# Altium PCB RockerBox_1_SiC780A_Rev02.PcbDoc (part 1 of 4) (continued)
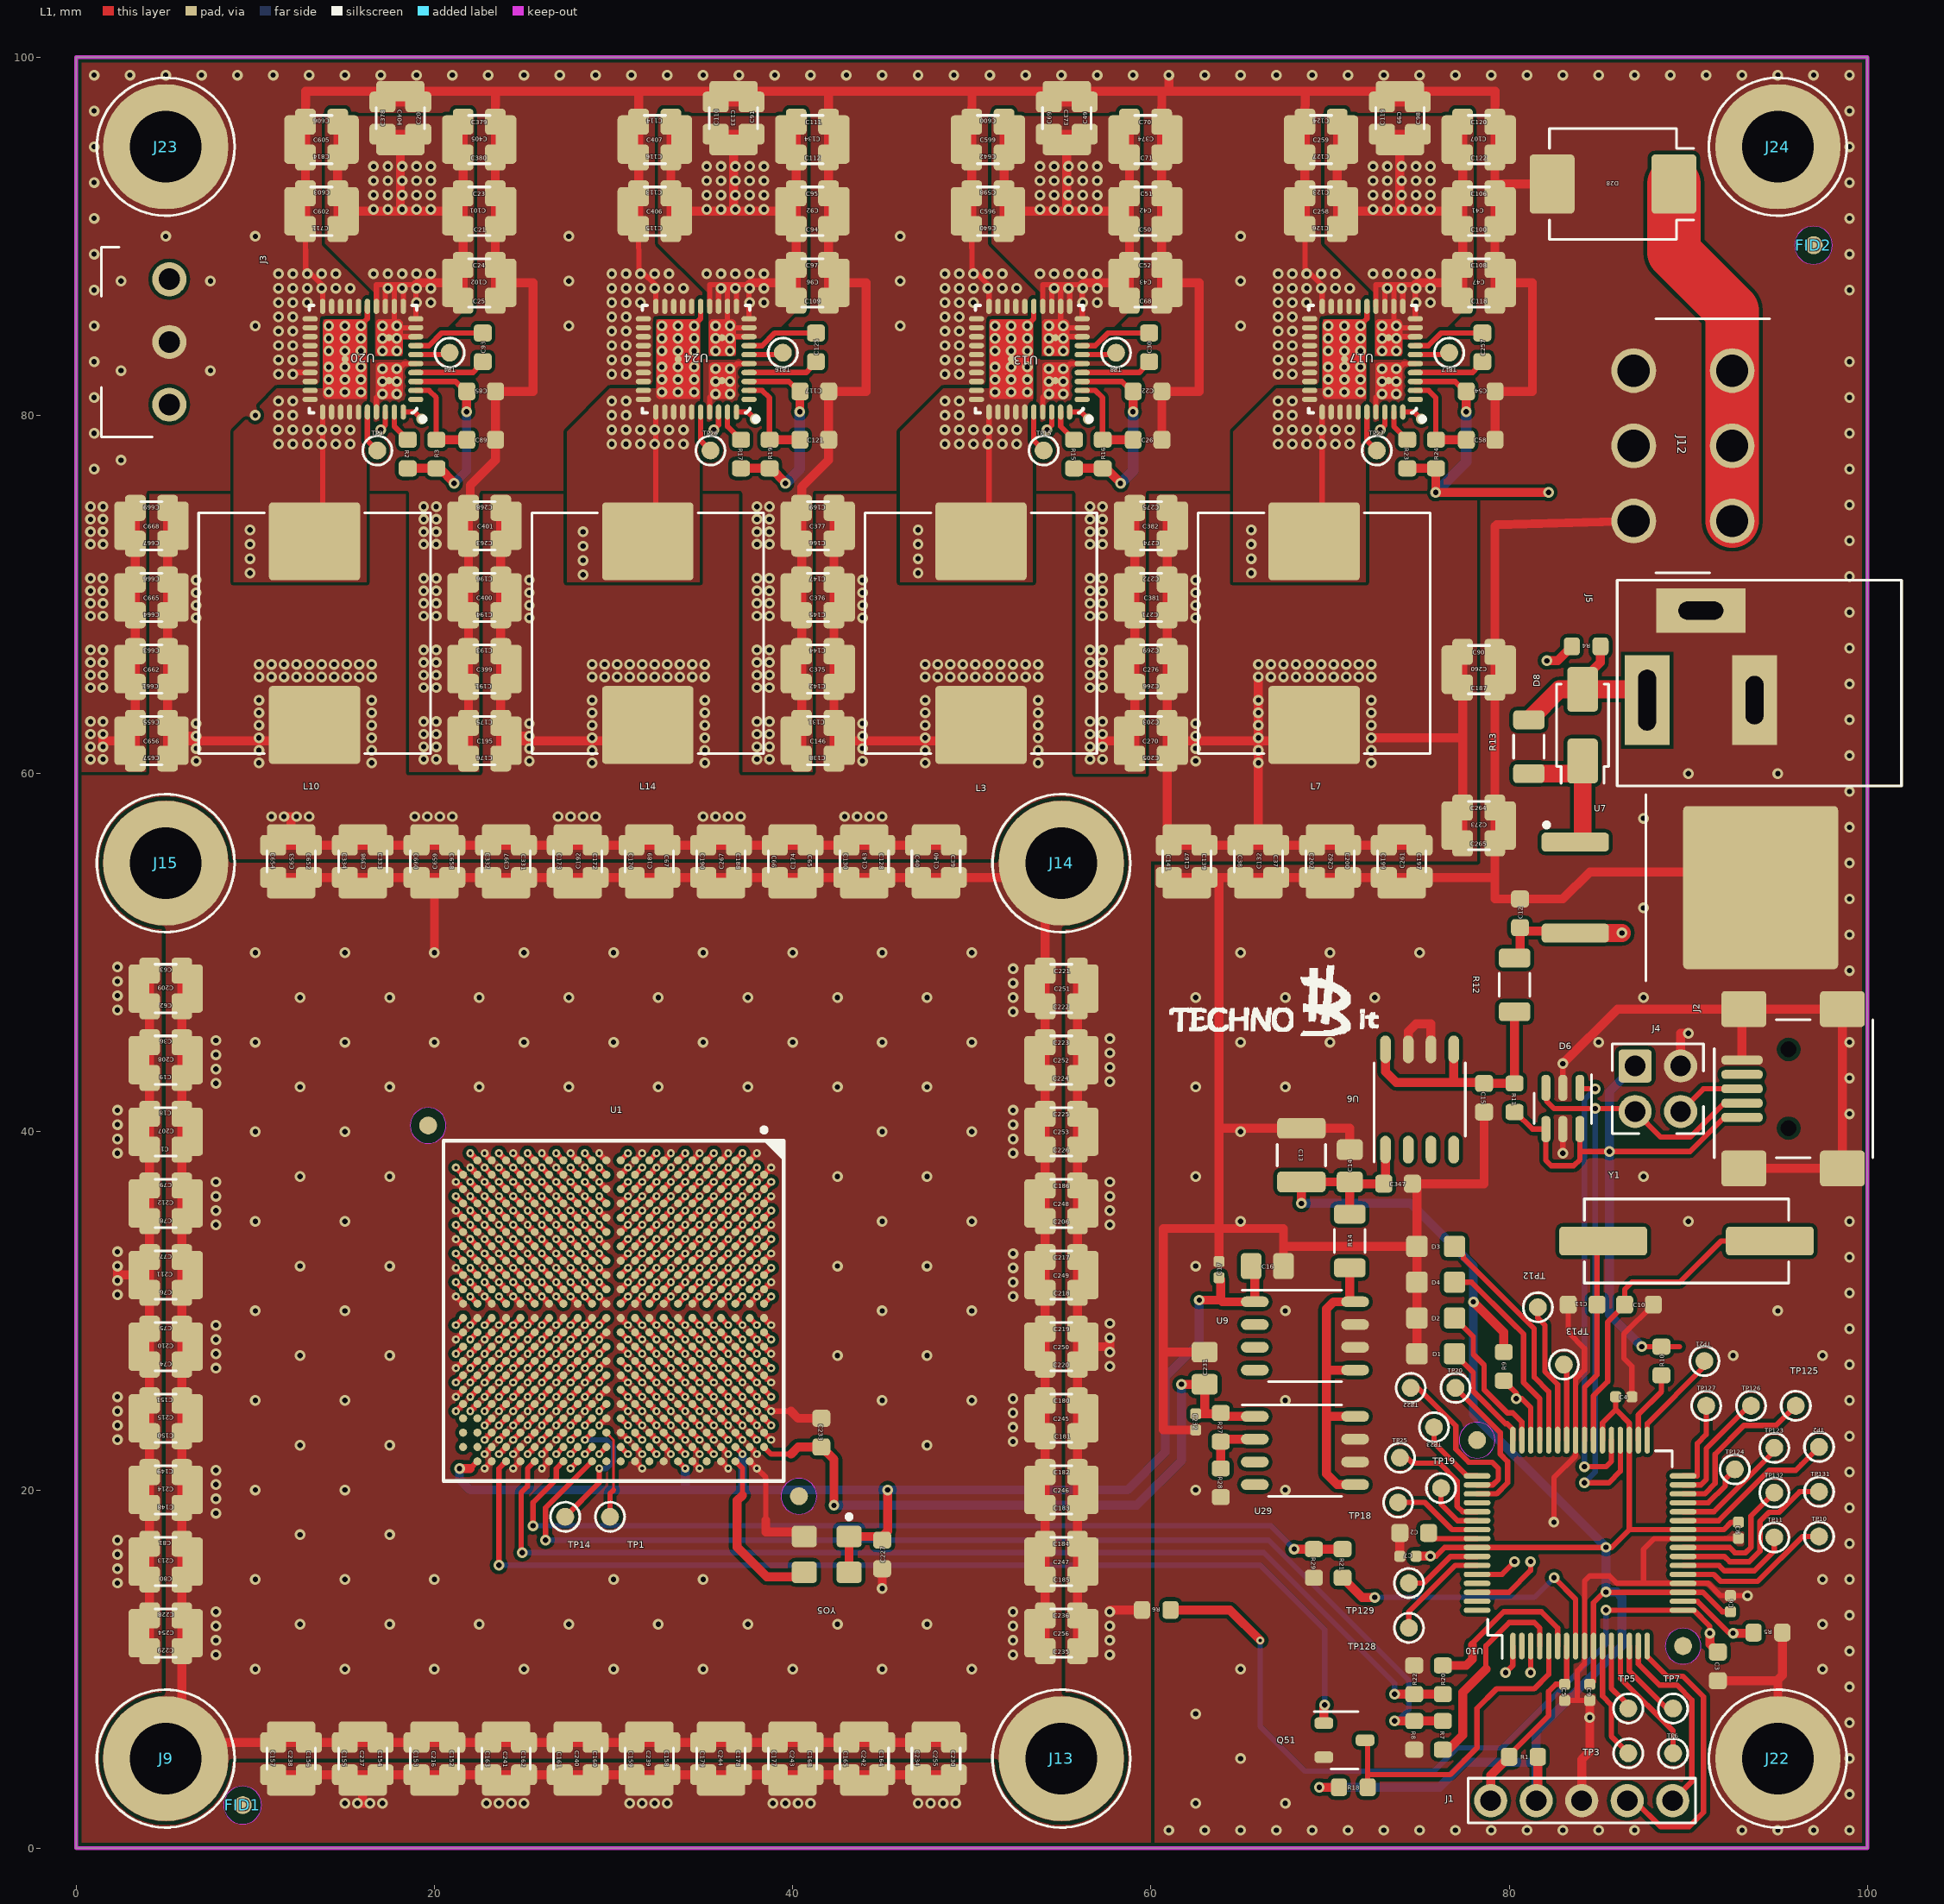
[diagram p0: L1 view]
## Design rules (kind name [scope] priority, off if disabled: settings) (continued)
PolygonConnect "Polygon Connect Style - Via from round thru-hole global defaults_65" [IsVia] p22: connectstyle=Relief reliefconductorwidth=0.5 reliefentries=4 polygonreliefangle="90 Angle" airgapwidth=0.254
PolygonConnect "Polygon Connect Style - L4 Round thru-hole pad from global defaults" [IsPad And OnMultiLayer And (PadShape_BottomLayer = 'Round') And (PadXSize_BottomLayer = PADYSize_BottomLayer) vs Layer = 'L4'] p23: connectstyle=Relief reliefconductorwidth=0.5 reliefentries=4 polygonreliefangle="90 Angle" airgapwidth=0.254
PolygonConnect "Polygon Connect Style - Via from round thru-hole global defaults_64" [IsVia] p24: connectstyle=Relief reliefconductorwidth=0.5 reliefentries=4 polygonreliefangle="90 Angle" airgapwidth=0.254
PolygonConnect "Polygon Connect Style - L3 Round thru-hole pad from global defaults" [IsPad And OnMultiLayer And (PadShape_MidLayer2 = 'Round') And (PadXSize_MidLayer2 = PADYSize_MidLayer2) vs Layer = 'L3'] p25: connectstyle=Relief reliefconductorwidth=0.5 reliefentries=4 polygonreliefangle="90 Angle" airgapwidth=0.254
PolygonConnect "Polygon Connect Style - Via from round thru-hole global defaults_63" [IsVia] p26: connectstyle=Relief reliefconductorwidth=0.5 reliefentries=4 polygonreliefangle="90 Angle" airgapwidth=0.254
PolygonConnect "Polygon Connect Style - L2 Round thru-hole pad from global defaults" [IsPad And OnMultiLayer And (PadShape_MidLayer1 = 'Round') And (PadXSize_MidLayer1 = PADYSize_MidLayer1) vs Layer = 'L2'] p27: connectstyle=Relief reliefconductorwidth=0.5 reliefentries=4 polygonreliefangle="90 Angle" airgapwidth=0.254
PolygonConnect "Polygon Connect Style - Via from round thru-hole global defaults" [IsVia] p28: connectstyle=Relief reliefconductorwidth=0.5 reliefentries=4 polygonreliefangle="90 Angle" airgapwidth=0.254
PolygonConnect "Polygon Connect Style - L1 Round thru-hole pad from global defaults" [IsPad And OnMultiLayer And (PadShape_TopLayer = 'Round') And (PadXSize_TopLayer = PADYSize_TopLayer) vs Layer = 'L1'] p29: connectstyle=Relief reliefconductorwidth=0.5 reliefentries=4 polygonreliefangle="90 Angle" airgapwidth=0.254
PolygonConnect "Polygon Connect Style - L4 Square thru-hole pad from global defaults" [IsPad And OnMultiLayer And ((PadShape_BottomLayer = 'Rectangular') Or (PadShape_BottomLayer = 'Octagonal') Or (PadShape_BottomLayer = 'Rounded Rectangle')) And (PadXSize_BottomLayer = PADYSize_BottomLayer) vs Layer = 'L4'] p30: connectstyle=Relief reliefconductorwidth=0.5 reliefentries=4 polygonreliefangle="90 Angle" airgapwidth=0.254
PolygonConnect "Polygon Connect Style - L3 Square thru-hole pad from global defaults" [IsPad And OnMultiLayer And ((PadShape_MidLayer2 = 'Rectangular') Or (PadShape_MidLayer2 = 'Octagonal') Or (PadShape_MidLayer2 = 'Rounded Rectangle')) And (PadXSize_MidLayer2 = PADYSize_MidLayer2) vs Layer = 'L3'] p31: connectstyle=Relief reliefconductorwidth=0.5 reliefentries=4 polygonreliefangle="90 Angle" airgapwidth=0.254
PolygonConnect "Polygon Connect Style - L2 Square thru-hole pad from global defaults" [IsPad And OnMultiLayer And ((PadShape_MidLayer1 = 'Rectangular') Or (PadShape_MidLayer1 = 'Octagonal') Or (PadShape_MidLayer1 = 'Rounded Rectangle')) And (PadXSize_MidLayer1 = PADYSize_MidLayer1) vs Layer = 'L2'] p32: connectstyle=Relief reliefconductorwidth=0.5 reliefentries=4 polygonreliefangle="90 Angle" airgapwidth=0.254
PolygonConnect "Polygon Connect Style - L1 Square thru-hole pad from global defaults" [IsPad And OnMultiLayer And ((PadShape_TopLayer = 'Rectangular') Or (PadShape_TopLayer = 'Octagonal') Or (PadShape_TopLayer = 'Rounded Rectangle')) And (PadXSize_TopLayer = PADYSize_TopLayer) vs Layer = 'L1'] p33: connectstyle=Relief reliefconductorwidth=0.5 reliefentries=4 polygonreliefangle="90 Angle" airgapwidth=0.254
PolygonConnect "Polygon Connect Style - L4 Rect thru-hole pad from global defaults" [IsPad And OnMultiLayer And ((PadShape_BottomLayer = 'Rectangular') Or (PadShape_BottomLayer = 'Octagonal') Or (PadShape_BottomLayer = 'Rounded Rectangle')) And (PadXSize_BottomLayer <> PADYSize_BottomLayer) vs Layer = 'L4'] p34: connectstyle=Relief reliefconductorwidth=0.5 reliefentries=4 polygonreliefangle="90 Angle" airgapwidth=0.254
PolygonConnect "Polygon Connect Style - L4 Square-rect thru-hole pad from global defaults" [IsPad And OnMultiLayer And (PadShape_BottomLayer = 'Rounded Rectangle') And (PadXSize_BottomLayer = PADYSize_BottomLayer) And (Pad_CornerRadius_BottomLayer = '0%') vs Layer = 'L4'] p35: connectstyle=Relief reliefconductorwidth=0.5 reliefentries=4 polygonreliefangle="90 Angle" airgapwidth=0.254
PolygonConnect "Polygon Connect Style - L3 Rect thru-hole pad from global defaults" [IsPad And OnMultiLayer And ((PadShape_MidLayer2 = 'Rectangular') Or (PadShape_MidLayer2 = 'Octagonal') Or (PadShape_MidLayer2 = 'Rounded Rectangle')) And (PadXSize_MidLayer2 <> PADYSize_MidLayer2) vs Layer = 'L3'] p36: connectstyle=Relief reliefconductorwidth=0.5 reliefentries=4 polygonreliefangle="90 Angle" airgapwidth=0.254
PolygonConnect "Polygon Connect Style - L3 Square-rect thru-hole pad from global defaults" [IsPad And OnMultiLayer And (PadShape_MidLayer2 = 'Rounded Rectangle') And (PadXSize_MidLayer2 = PADYSize_MidLayer2) And (Pad_CornerRadius_MidLayer2 = '0%') vs Layer = 'L3'] p37: connectstyle=Relief reliefconductorwidth=0.5 reliefentries=4 polygonreliefangle="90 Angle" airgapwidth=0.254
PolygonConnect "Polygon Connect Style - L2 Rect thru-hole pad from global defaults" [IsPad And OnMultiLayer And ((PadShape_MidLayer1 = 'Rectangular') Or (PadShape_MidLayer1 = 'Octagonal') Or (PadShape_MidLayer1 = 'Rounded Rectangle')) And (PadXSize_MidLayer1 <> PADYSize_MidLayer1) vs Layer = 'L2'] p38: connectstyle=Relief reliefconductorwidth=0.5 reliefentries=4 polygonreliefangle="90 Angle" airgapwidth=0.254
PolygonConnect "Polygon Connect Style - L2 Square-rect thru-hole pad from global defaults" [IsPad And OnMultiLayer And (PadShape_MidLayer1 = 'Rounded Rectangle') And (PadXSize_MidLayer1 = PADYSize_MidLayer1) And (Pad_CornerRadius_MidLayer1 = '0%') vs Layer = 'L2'] p39: connectstyle=Relief reliefconductorwidth=0.5 reliefentries=4 polygonreliefangle="90 Angle" airgapwidth=0.254
PolygonConnect "Polygon Connect Style - L1 Rect thru-hole pad from global defaults" [IsPad And OnMultiLayer And ((PadShape_TopLayer = 'Rectangular') Or (PadShape_TopLayer = 'Octagonal') Or (PadShape_TopLayer = 'Rounded Rectangle')) And (PadXSize_TopLayer <> PADYSize_TopLayer) vs Layer = 'L1'] p40: connectstyle=Relief reliefconductorwidth=0.5 reliefentries=4 polygonreliefangle="90 Angle" airgapwidth=0.254
PolygonConnect "Polygon Connect Style - L1 Square-rect thru-hole pad from global defaults" [IsPad And OnMultiLayer And (PadShape_TopLayer = 'Rounded Rectangle') And (PadXSize_TopLayer = PADYSize_TopLayer) And (Pad_CornerRadius_TopLayer = '0%') vs Layer = 'L1'] p41: connectstyle=Relief reliefconductorwidth=0.5 reliefentries=4 polygonreliefangle="90 Angle" airgapwidth=0.254
PolygonConnect "Polygon Connect Style - L4 Oval thru-hole pad from global defaults" [IsPad And OnMultiLayer And (PadShape_BottomLayer = 'Round') And (PadXSize_BottomLayer <> PADYSize_BottomLayer) vs Layer = 'L4'] p42: connectstyle=Relief reliefconductorwidth=0.5 reliefentries=4 polygonreliefangle="90 Angle" airgapwidth=0.254
PolygonConnect "Polygon Connect Style - L4 Round-oval thru-hole pad from global defaults" [IsPad And OnMultiLayer And (PadShape_BottomLayer = 'Rounded Rectangle') And (PadXSize_BottomLayer = PADYSize_BottomLayer) And (Pad_CornerRadius_BottomLayer = '100%') vs Layer = 'L4'] p43: connectstyle=Relief reliefconductorwidth=0.5 reliefentries=4 polygonreliefangle="90 Angle" airgapwidth=0.254
PolygonConnect "Polygon Connect Style - L3 Oval thru-hole pad from global defaults" [IsPad And OnMultiLayer And (PadShape_MidLayer2 = 'Round') And (PadXSize_MidLayer2 <> PADYSize_MidLayer2) vs Layer = 'L3'] p44: connectstyle=Relief reliefconductorwidth=0.5 reliefentries=4 polygonreliefangle="90 Angle" airgapwidth=0.254
PolygonConnect "Polygon Connect Style - L3 Round-oval thru-hole pad from global defaults" [IsPad And OnMultiLayer And (PadShape_MidLayer2 = 'Rounded Rectangle') And (PadXSize_MidLayer2 = PADYSize_MidLayer2) And (Pad_CornerRadius_MidLayer2 = '100%') vs Layer = 'L3'] p45: connectstyle=Relief reliefconductorwidth=0.5 reliefentries=4 polygonreliefangle="90 Angle" airgapwidth=0.254
PolygonConnect "Polygon Connect Style - L2 Oval thru-hole pad from global defaults" [IsPad And OnMultiLayer And (PadShape_MidLayer1 = 'Round') And (PadXSize_MidLayer1 <> PADYSize_MidLayer1) vs Layer = 'L2'] p46: connectstyle=Relief reliefconductorwidth=0.5 reliefentries=4 polygonreliefangle="90 Angle" airgapwidth=0.254
PolygonConnect "Polygon Connect Style - L2 Round-oval thru-hole pad from global defaults" [IsPad And OnMultiLayer And (PadShape_MidLayer1 = 'Rounded Rectangle') And (PadXSize_MidLayer1 = PADYSize_MidLayer1) And (Pad_CornerRadius_MidLayer1 = '100%') vs Layer = 'L2'] p47: connectstyle=Relief reliefconductorwidth=0.5 reliefentries=4 polygonreliefangle="90 Angle" airgapwidth=0.254
PolygonConnect "Polygon Connect Style - L1 Oval thru-hole pad from global defaults" [IsPad And OnMultiLayer And (PadShape_TopLayer = 'Round') And (PadXSize_TopLayer <> PADYSize_TopLayer) vs Layer = 'L1'] p48: connectstyle=Relief reliefconductorwidth=0.5 reliefentries=4 polygonreliefangle="90 Angle" airgapwidth=0.254
PolygonConnect "Polygon Connect Style - L1 Round-oval thru-hole pad from global defaults" [IsPad And OnMultiLayer And (PadShape_TopLayer = 'Rounded Rectangle') And (PadXSize_TopLayer = PADYSize_TopLayer) And (Pad_CornerRadius_TopLayer = '100%') vs Layer = 'L1'] p49: connectstyle=Relief reliefconductorwidth=0.5 reliefentries=4 polygonreliefangle="90 Angle" airgapwidth=0.254
PolygonConnect [All] p50: connectstyle=Relief reliefconductorwidth=0.254 reliefentries=4 polygonreliefangle="90 Angle" airgapwidth=0.254
RoomDefinition U_CPU_Power [InComponentClass('U_CPU_Power')] p1: confinementstyle=ConfineIn formatcopy=TRUE lockcomponents=FALSE outline -691.9,-758.05 -641.1,-758.05 -641.1,-732.65 -691.9,-732.65
RoomDefinition U_CPU_Logic [InComponentClass('U_CPU_Logic')] p2: confinementstyle=ConfineIn formatcopy=TRUE lockcomponents=FALSE outline -691.9,-758.05 -641.1,-758.05 -641.1,-732.65 -691.9,-732.65
RoomDefinition SMPS [InComponentClass('SMPS')] p3: confinementstyle=ConfineIn formatcopy=TRUE lockcomponents=FALSE outline -691.9,-758.05 -641.1,-758.05 -641.1,-732.65 -691.9,-732.65
RoomDefinition MCU [InComponentClass('MCU')] p4: confinementstyle=ConfineIn formatcopy=TRUE lockcomponents=FALSE outline -691.9,-758.05 -641.1,-758.05 -641.1,-732.65 -691.9,-732.65
RoutingLayers "'Default' PADS rule_3" [All] p1: top layer_v5=TRUE mid layer 1_v5=TRUE mid layer 2_v5=TRUE bottom layer_v5=TRUE
RoutingPriority "'Default' PADS rule_2" [All] p1: routingpriority=3
RoutingTopology "'Default' PADS rule" [All] p1: topology=Shortest
RoutingVias "'Default' PADS rule_4" [All] p1: holewidth=0.3 width=0.6 viastyle="Through Hole" minholewidth=0.3 minwidth=0.6 maxholewidth=0.3 maxwidth=0.6
SMDToCorner "'All on Layer' PADS rule_50" [OnLayer('L2') vs OnLayer('L2')] p1: distance=39370
SMDToCorner "'All on Layer' PADS rule_35" [OnLayer('L3') vs OnLayer('L3')] p2: distance=39370
SMDToCorner "'Default' PADS rule_17" [All] p3: distance=39370
SMDToPlane "'All on Layer' PADS rule_51" [OnLayer('L2') vs OnLayer('L2')] p1: distance=39370
SMDToPlane "'All on Layer' PADS rule_36" [OnLayer('L3') vs OnLayer('L3')] p2: distance=39370
SMDToPlane "'Default' PADS rule_18" [All] p3: distance=39370
SolderMaskExpansion [All] p1: expansion=0.102
StubLength "'Default' PADS rule_6" [All] p1: limit=25.4
UnpouredPolygon [All] p1: allowunpoured=FALSE
Width "'All on Layer' PADS rule_48" [OnLayer('L2') vs OnLayer('L2')] p1: maxlimit=3 minlimit=0.25 preferedwidth=0.3
Width "'All on Layer' PADS rule" [OnLayer('L3') vs OnLayer('L3')] p2: maxlimit=3 minlimit=0.25 preferedwidth=0.3
Width "'Default' PADS rule_14" [All] p3: maxlimit=3 minlimit=0.13 preferedwidth=0.5
23 further rules are at their usual default settings.

## Classes and differential pairs
component class U_CPU_Power: C1 C18 C19 C36 C62 C63 C74 C75 C76 C77 C78 C79 C80 C81 C148 C149 C150 C151 C152 C153 C154 C155 C156 C157 C158 C159 C160 C161 C162 C163 C164 C165 C168 C177 C178 C179 C180 C181 C182 C183 C184 C185 C186 C206 C207 C208 C209 C210 C211 C212 C213 C214 C215 C216 C217 C218 C219 C220 C221 C222 C223 C224 C225 C226 C228 C229 C230 C234 C235 C236 C237 C238 C239 C240 C241 C242 C243 C244 C245 C246 C247 C248 C249 C250 C251 C252 C253 C254 C255 C256 U1
component class U_CPU_Logic: C227 C233 TP1 TP14 YO5
component class SMPS: C20 C21 C22 C23 C24 C25 C26 C30 C37 C38 C39 C40 C41 C42 C43 C47 C49 C50 C51 C52 C54 C58 C65 C66 C67 C68 C69 C70 C71 C85 C89 C90 C91 C92 C93 C94 C95 C96 C97 C98 C99 C100 C101 C102 C106 C107 C108 C109 C110 C111 C112 C113 C114 C115 C116 C117 C118 C119 C120 C121 C122 C123 C124 C125 C126 C127 C128 C130 C131 C132 C133 C134 C138 C139 C140 C141 C142 C143 C144 C145 C146 C147 C166 C167 C169 C170 C172 C173 C174 C175 C176 C187 C188 C189 C190 C191 C192 C193 C194 C195 C196 C197 C199 C200 C202 C203 C205 C257 C258 C259 C260 C261 C262 C263 C264 C265 C266 C267 C268 C269 C270 C271 C272 C273 C274 C275 C276 C331 C332 C333 C334 C373 C374 C375 C376 C377 C378 C379 C380 C381 C382 C397 C398 C399 C400 C401 C404 C405 C406 C407 C596 C598 C599 C600 C602 C603 C605 C606 C640 C642 C652 C653 C654 C655 C656 C657 C658 C659 C660 C661 C662 C663 C664 C665 C666 C667 C668 C669 C711 C814 L3 L7 L10 L14 R2 R3 R15 R16 R17 R19 R23 R24 TP4 TP8 TP9 TP15 TP16 TP17 TP26 TP27 U13 U17 U20 U24
component class MCU: C2 C3 C4 C5 C6 C7 C8 C9 C10 C11 C12 C13 C14 C15 C16 C17 C231 C232 C347 D1 D2 D3 D4 D6 D8 D28 FID1 FID2 J1 J2 J3 J4 J5 J9 J12 J13 J14 J15 J22 J23 J24 Q51 R1 R4 R5 R6 R7 R8 R9 R10 R11 R12 R13 R14 R18 R20 R21 R22 R27 R28 R29 TP2 TP3 TP5 TP6 TP7 TP10 TP11 TP12 TP13 TP18 TP19 TP20 TP21 TP22 TP23 TP25 TP123 TP124 TP125 TP126 TP127 TP128 TP129 TP131 TP132 U6 U7 U9 U10 U29 Y1

## Components (designator, comment, footprint, x,y, rotation, side; value= is the part's Value field where it differs from the comment)
C1 "22uF" SMD_0805_CAPC2012X145N 5,39 r180 top
C2 "10uF" SMD_0603_CAPC1608X95N 74.7,17.6 r180 top
C3 "1nF" SMD_0603_CAPC1608X95N 91.65,10.15 r270 top
C4 "100nF" SMD_0402_CAPC1005X55N 86.4,25.2 r0 top
C5 "100nF" SMD_0402_CAPC1005X55N 83.1,8.7 r270 top
C6 "100nF" SMD_0402_CAPC1005X55N 92.35,13.65 r90 top
C7 "100nF" SMD_0402_CAPC1005X55N 74.35,16.3 r180 top
C8 "100nF" SMD_0402_CAPC1005X55N 92.8,17.75 r270 top
C9 "100nF" SMD_0402_CAPC1005X55N 84.5,8.7 r270 top
C10 "18pF" SMD_0603_CAPC1608X95N 87.25,30.35 r0 top
C11 "18pF" SMD_0603_CAPC1608X95N 84.1,30.35 r180 top
C12 "10uF" SMD_0603_CAPC1608X95N 80.605,52.2 r90 top
C13 "220uF" SMD_1210_CAPC3225X279N 68.4,38.7 r270 top
C14 "22uF" SMD_0805_CAPC2012X145N 71.1,38.1 r90 top
C15 "10uF" SMD_0603_CAPC1608X95N 78.6,41.9 r270 top
C16 "22uF" SMD_0805_CAPC2012X145N 66.5,32.5 r0 top
C17 "100nF" SMD_0402_CAPC1005X55N 63.8,32.3 r90 top
C18 "22uF" SMD_0805_CAPC2012X145N 5,41 r180 top
C19 "22uF" SMD_0805_CAPC2012X145N 5,43 r180 top
C20 "10uF" SMD_0805_CAPC2012X145N 19.1,96.6 r90 top
C21 "10uF" SMD_0805_CAPC2012X145N 22.5,90.4 r0 top
C22 "10uF" SMD_0603_CAPC1608X95N 59.811,81.34 r180 top
C23 "10uF" SMD_0805_CAPC2012X145N 22.5,92.4 r0 top
C24 "10uF" SMD_0805_CAPC2012X145N 22.5,88.4 r0 top
C25 "10uF" SMD_0805_CAPC2012X145N 22.5,86.4 r0 top
C26 "100nF" SMD_0603_CAPC1608X95N 59.811,78.64 r0 top
C30 "220nF" SMD_0603_CAPC1608X95N 59.9,83.8 r90 top
C36 "22uF" SMD_0805_CAPC2012X145N 5,45 r180 top
C37 "22uF" SMD_0805_CAPC2012X145N 67,55.098 r270 top
C38 "22uF" SMD_0805_CAPC2012X145N 65,55.098 r270 top
C39 "22uF" SMD_0805_CAPC2012X145N 49,55.1 r270 top
C40 "22uF" SMD_0805_CAPC2012X145N 47,55.1 r270 top
C41 "100uF" SMD_1210_CAPC3225X270N 78.3,91.4 r180 top
C42 "100uF" SMD_1210_CAPC3225X270N 59.7,91.4 r180 top
C43 "100uF" SMD_1210_CAPC3225X270N 59.7,87.4 r180 top
C47 "100uF" SMD_1210_CAPC3225X270N 78.3,87.4 r180 top
C49 "10uF" SMD_0805_CAPC2012X145N 56.3,96.6 r90 top
C50 "10uF" SMD_0805_CAPC2012X145N 59.7,90.4 r0 top
C51 "10uF" SMD_0805_CAPC2012X145N 59.7,92.4 r0 top
C52 "10uF" SMD_0805_CAPC2012X145N 59.7,88.4 r0 top
C54 "10uF" SMD_0603_CAPC1608X95N 78.411,81.34 r180 top
C58 "100nF" SMD_0603_CAPC1608X95N 78.411,78.64 r0 top
C62 "22uF" SMD_0805_CAPC2012X145N 5,47 r180 top
C63 "22uF" SMD_0805_CAPC2012X145N 5,49 r180 top
C65 "22uF" SMD_0805_CAPC2012X145N 41,55.1 r270 top
C66 "22uF" SMD_0805_CAPC2012X145N 39,55.1 r270 top
C67 "22uF" SMD_0805_CAPC2012X145N 33,55.1 r270 top
C68 "10uF" SMD_0805_CAPC2012X145N 59.7,86.4 r0 top
C69 "10uF" SMD_0805_CAPC2012X145N 54.3,96.6 r90 top
C70 "10uF" SMD_0805_CAPC2012X145N 59.7,96.4 r0 top
C71 "10uF" SMD_0805_CAPC2012X145N 59.7,94.4 r0 top
C74 "22uF" SMD_0805_CAPC2012X145N 5,27 r180 top
C75 "22uF" SMD_0805_CAPC2012X145N 5,29 r180 top
C76 "22uF" SMD_0805_CAPC2012X145N 5,31 r180 top
C77 "22uF" SMD_0805_CAPC2012X145N 5,33 r180 top
C78 "22uF" SMD_0805_CAPC2012X145N 5,35 r180 top
C79 "22uF" SMD_0805_CAPC2012X145N 5,37 r180 top
C80 "22uF" SMD_0805_CAPC2012X145N 5,15 r180 top
C81 "22uF" SMD_0805_CAPC2012X145N 5,17 r180 top
C85 "10uF" SMD_0603_CAPC1608X95N 22.611,81.34 r180 top
C89 "100nF" SMD_0603_CAPC1608X95N 22.611,78.64 r0 top
C90 "22uF" SMD_0805_CAPC2012X145N 78.3,66.8 r0 top
C91 "10uF" SMD_0805_CAPC2012X145N 37.7,96.6 r90 top
C92 "100uF" SMD_1210_CAPC3225X270N 41.1,91.4 r180 top
C93 "220nF" SMD_0603_CAPC1608X95N 22.7,83.8 r90 top
C94 "10uF" SMD_0805_CAPC2012X145N 41.1,90.4 r0 top
C95 "10uF" SMD_0805_CAPC2012X145N 41.1,92.4 r0 top
C96 "100uF" SMD_1210_CAPC3225X270N 41.1,87.4 r180 top
C97 "10uF" SMD_0805_CAPC2012X145N 41.1,88.4 r0 top
C98 "10uF" SMD_0805_CAPC2012X145N 74.9,96.6 r90 top
C99 "100uF" SMD_1210_CAPC3225X270N 73.9,96.6 r270 top
C100 "10uF" SMD_0805_CAPC2012X145N 78.3,90.4 r0 top
C101 "100uF" SMD_1210_CAPC3225X270N 22.5,91.4 r180 top
C102 "100uF" SMD_1210_CAPC3225X270N 22.5,87.4 r180 top
C106 "10uF" SMD_0805_CAPC2012X145N 78.3,92.4 r0 top
C107 "100uF" SMD_1210_CAPC3225X270N 78.3,95.4 r180 top
C108 "10uF" SMD_0805_CAPC2012X145N 78.3,88.4 r0 top
C109 "10uF" SMD_0805_CAPC2012X145N 41.1,86.4 r0 top
C110 "10uF" SMD_0805_CAPC2012X145N 35.7,96.6 r90 top
C111 "10uF" SMD_0805_CAPC2012X145N 41.1,96.4 r0 top
C112 "10uF" SMD_0805_CAPC2012X145N 41.1,94.4 r0 top
C113 "10uF" SMD_0805_CAPC2012X145N 32.3,92.4 r180 top
C114 "10uF" SMD_0805_CAPC2012X145N 32.3,96.4 r180 top
C115 "10uF" SMD_0805_CAPC2012X145N 32.3,90.4 r180 top
C116 "10uF" SMD_0805_CAPC2012X145N 32.3,94.4 r180 top
C117 "10uF" SMD_0603_CAPC1608X95N 41.211,81.34 r180 top
C118 "10uF" SMD_0805_CAPC2012X145N 78.3,86.4 r0 top
C119 "10uF" SMD_0805_CAPC2012X145N 72.9,96.6 r90 top
C120 "10uF" SMD_0805_CAPC2012X145N 78.3,96.4 r0 top
C121 "100nF" SMD_0603_CAPC1608X95N 41.211,78.64 r0 top
C122 "10uF" SMD_0805_CAPC2012X145N 78.3,94.4 r0 top
C123 "10uF" SMD_0805_CAPC2012X145N 69.5,92.4 r180 top
C124 "10uF" SMD_0805_CAPC2012X145N 69.5,96.4 r180 top
C125 "220nF" SMD_0603_CAPC1608X95N 41.3,83.8 r90 top
C126 "10uF" SMD_0805_CAPC2012X145N 69.5,90.4 r180 top
C127 "10uF" SMD_0805_CAPC2012X145N 69.5,94.4 r180 top
C128 "22uF" SMD_0805_CAPC2012X145N 45,55.1 r270 top
C130 "22uF" SMD_0805_CAPC2012X145N 43,55.1 r270 top
C131 "22uF" SMD_0805_CAPC2012X145N 41.403,62.835 r180 top
C132 "220uF" SMD_1210_CAPC3225X279N 66,55.098 r90 top
C133 "100uF" SMD_1210_CAPC3225X270N 36.7,96.6 r270 top
C134 "100uF" SMD_1210_CAPC3225X270N 41.1,95.4 r180 top
C138 "22uF" SMD_0805_CAPC2012X145N 41.403,60.835 r180 top
C139 "22uF" SMD_0805_CAPC2012X145N 63,55.098 r270 top
C140 "220uF" SMD_1210_CAPC3225X279N 48,55.1 r90 top
C141 "22uF" SMD_0805_CAPC2012X145N 61,55.098 r270 top
C142 "22uF" SMD_0805_CAPC2012X145N 41.403,64.835 r180 top
C143 "220uF" SMD_1210_CAPC3225X279N 44,55.1 r90 top
C144 "22uF" SMD_0805_CAPC2012X145N 41.403,66.835 r180 top
C145 "22uF" SMD_0805_CAPC2012X145N 41.403,68.835 r180 top
C146 "220uF" SMD_1210_CAPC3225X279N 41.403,61.835 r0 top
C147 "22uF" SMD_0805_CAPC2012X145N 41.403,70.835 r180 top
C148 "22uF" SMD_0805_CAPC2012X145N 5,19 r180 top
C149 "22uF" SMD_0805_CAPC2012X145N 5,21 r180 top
C150 "22uF" SMD_0805_CAPC2012X145N 5,23 r180 top
C151 "22uF" SMD_0805_CAPC2012X145N 5,25 r180 top
C152 "22uF" SMD_0805_CAPC2012X145N 21,5 r270 top
C153 "22uF" SMD_0805_CAPC2012X145N 19,5 r270 top
C154 "22uF" SMD_0805_CAPC2012X145N 17,5 r270 top
C155 "22uF" SMD_0805_CAPC2012X145N 15,5 r270 top
C156 "22uF" SMD_0805_CAPC2012X145N 13,5 r270 top
C157 "22uF" SMD_0805_CAPC2012X145N 11,5 r270 top
C158 "22uF" SMD_0805_CAPC2012X145N 33,5 r270 top
C159 "22uF" SMD_0805_CAPC2012X145N 31,5 r270 top
C160 "22uF" SMD_0805_CAPC2012X145N 29,5 r270 top
C161 "22uF" SMD_0805_CAPC2012X145N 27,5 r270 top
C162 "22uF" SMD_0805_CAPC2012X145N 25,5 r270 top
C163 "22uF" SMD_0805_CAPC2012X145N 23,5 r270 top
C164 "22uF" SMD_0805_CAPC2012X145N 45,5 r270 top
C165 "22uF" SMD_0805_CAPC2012X145N 43,5 r270 top
C166 "22uF" SMD_0805_CAPC2012X145N 41.403,72.835 r180 top
C167 "220uF" SMD_1210_CAPC3225X279N 62,55.098 r90 top
C168 "22uF" SMD_0805_CAPC2012X145N 41,5 r270 top
C169 "22uF" SMD_0805_CAPC2012X145N 41.403,74.835 r180 top
C170 "22uF" SMD_0805_CAPC2012X145N 31,55.1 r270 top
C172 "22uF" SMD_0805_CAPC2012X145N 29,55.1 r270 top
C173 "22uF" SMD_0805_CAPC2012X145N 27,55.1 r270 top
C174 "220uF" SMD_1210_CAPC3225X279N 40,55.1 r90 top
C175 "22uF" SMD_0805_CAPC2012X145N 22.803,62.835 r180 top
C176 "22uF" SMD_0805_CAPC2012X145N 22.803,60.835 r180 top
C177 "22uF" SMD_0805_CAPC2012X145N 39,5 r270 top
C178 "22uF" SMD_0805_CAPC2012X145N 37,5 r270 top
C179 "22uF" SMD_0805_CAPC2012X145N 35,5 r270 top
C180 "22uF" SMD_0805_CAPC2012X145N 55,25 r0 top
C181 "22uF" SMD_0805_CAPC2012X145N 55,23 r0 top
C182 "22uF" SMD_0805_CAPC2012X145N 55,21 r0 top
C183 "22uF" SMD_0805_CAPC2012X145N 55,19 r0 top
C184 "22uF" SMD_0805_CAPC2012X145N 55,17 r0 top
C185 "22uF" SMD_0805_CAPC2012X145N 55,15 r0 top
C186 "22uF" SMD_0805_CAPC2012X145N 55,37 r0 top
C187 "22uF" SMD_0805_CAPC2012X145N 78.3,64.8 r0 top
C188 "22uF" SMD_0805_CAPC2012X145N 37,55.1 r270 top
C189 "220uF" SMD_1210_CAPC3225X279N 32,55.1 r90 top
C190 "22uF" SMD_0805_CAPC2012X145N 35,55.1 r270 top
C191 "22uF" SMD_0805_CAPC2012X145N 22.803,64.835 r180 top
C192 "220uF" SMD_1210_CAPC3225X279N 28,55.1 r90 top
C193 "22uF" SMD_0805_CAPC2012X145N 22.803,66.835 r180 top
C194 "22uF" SMD_0805_CAPC2012X145N 22.803,68.835 r180 top
C195 "220uF" SMD_1210_CAPC3225X279N 22.803,61.835 r0 top
C196 "22uF" SMD_0805_CAPC2012X145N 22.803,70.835 r180 top
C197 "22uF" SMD_0805_CAPC2012X145N 75,55.1 r270 top
C199 "22uF" SMD_0805_CAPC2012X145N 73,55.1 r270 top
C200 "22uF" SMD_0805_CAPC2012X145N 71,55.1 r270 top
C202 "22uF" SMD_0805_CAPC2012X145N 69,55.1 r270 top
C203 "22uF" SMD_0805_CAPC2012X145N 60.003,62.835 r180 top
C205 "22uF" SMD_0805_CAPC2012X145N 60.003,60.835 r180 top
C206 "22uF" SMD_0805_CAPC2012X145N 55,35 r0 top
C207 "220uF" SMD_1210_CAPC3225X279N 5,40 r180 top
C208 "220uF" SMD_1210_CAPC3225X279N 5,44 r180 top
C209 "220uF" SMD_1210_CAPC3225X279N 5,48 r180 top
C210 "220uF" SMD_1210_CAPC3225X279N 5,28 r180 top
C211 "220uF" SMD_1210_CAPC3225X279N 5,32 r180 top
C212 "220uF" SMD_1210_CAPC3225X279N 5,36 r180 top
C213 "220uF" SMD_1210_CAPC3225X279N 5,16 r180 top
C214 "220uF" SMD_1210_CAPC3225X279N 5,20 r180 top
C215 "220uF" SMD_1210_CAPC3225X279N 5,24 r180 top
C216 "220uF" SMD_1210_CAPC3225X279N 20,5 r270 top
C217 "22uF" SMD_0805_CAPC2012X145N 55,33 r0 top
C218 "22uF" SMD_0805_CAPC2012X145N 55,31 r0 top
C219 "22uF" SMD_0805_CAPC2012X145N 55,29 r0 top
C220 "22uF" SMD_0805_CAPC2012X145N 55,27 r0 top
C221 "22uF" SMD_0805_CAPC2012X145N 55,49 r0 top
C222 "22uF" SMD_0805_CAPC2012X145N 55,47 r0 top
C223 "22uF" SMD_0805_CAPC2012X145N 55,45 r0 top
C224 "22uF" SMD_0805_CAPC2012X145N 55,43 r0 top
C225 "22uF" SMD_0805_CAPC2012X145N 55,41 r0 top
C226 "22uF" SMD_0805_CAPC2012X145N 55,39 r0 top
C227 "470nF" SMD_0603_CAPC1608X95N 45,16.4 r90 top
C228 "22uF" SMD_0805_CAPC2012X145N 5,13 r180 top
C229 "22uF" SMD_0805_CAPC2012X145N 5,11 r180 top
C230 "22uF" SMD_0805_CAPC2012X145N 49,5 r270 top
C231 "22uF" SMD_0805_CAPC2012X145N 63,26.8 r90 top
C232 "100nF" SMD_0402_CAPC1005X55N 62.5,23.8 r270 top
C233 "470nF" SMD_0603_CAPC1608X95N 41.6,23.2 r270 top
C234 "22uF" SMD_0805_CAPC2012X145N 47,5 r270 top
C235 "22uF" SMD_0805_CAPC2012X145N 55,11 r0 top
C236 "22uF" SMD_0805_CAPC2012X145N 55,13 r0 top
C237 "220uF" SMD_1210_CAPC3225X279N 16,5 r270 top
C238 "220uF" SMD_1210_CAPC3225X279N 12,5 r270 top
C239 "220uF" SMD_1210_CAPC3225X279N 32,5 r270 top
C240 "220uF" SMD_1210_CAPC3225X279N 28,5 r270 top
C241 "220uF" SMD_1210_CAPC3225X279N 24,5 r270 top
C242 "220uF" SMD_1210_CAPC3225X279N 44,5 r270 top
C243 "220uF" SMD_1210_CAPC3225X279N 40,5 r270 top
C244 "220uF" SMD_1210_CAPC3225X279N 36,5 r270 top
C245 "220uF" SMD_1210_CAPC3225X279N 55,24 r0 top
C246 "220uF" SMD_1210_CAPC3225X279N 55,20 r0 top
C247 "220uF" SMD_1210_CAPC3225X279N 55,16 r0 top
C248 "220uF" SMD_1210_CAPC3225X279N 55,36 r0 top
C249 "220uF" SMD_1210_CAPC3225X279N 55,32 r0 top
C250 "220uF" SMD_1210_CAPC3225X279N 55,28 r0 top
C251 "220uF" SMD_1210_CAPC3225X279N 55,48 r0 top
C252 "220uF" SMD_1210_CAPC3225X279N 55,44 r0 top
C253 "220uF" SMD_1210_CAPC3225X279N 55,40 r0 top
C254 "220uF" SMD_1210_CAPC3225X279N 5,12 r180 top
C255 "220uF" SMD_1210_CAPC3225X279N 48,5 r270 top
C256 "220uF" SMD_1210_CAPC3225X279N 55,12 r0 top
C257 "220nF" SMD_0603_CAPC1608X95N 78.5,83.8 r90 top
C258 "100uF" SMD_1210_CAPC3225X270N 69.5,91.4 r0 top
C259 "100uF" SMD_1210_CAPC3225X270N 69.5,95.4 r0 top
C260 "220uF" SMD_1210_CAPC3225X279N 78.3,65.8 r180 top
C261 "220uF" SMD_1210_CAPC3225X279N 74,55.1 r90 top
C262 "220uF" SMD_1210_CAPC3225X279N 70,55.1 r90 top
C263 "22uF" SMD_0805_CAPC2012X145N 22.803,72.835 r180 top
C264 "22uF" SMD_0805_CAPC2012X145N 78.3,58.1 r0 top
C265 "22uF" SMD_0805_CAPC2012X145N 78.3,56.1 r0 top
C266 "22uF" SMD_0805_CAPC2012X145N 60.003,64.835 r180 top
C267 "220uF" SMD_1210_CAPC3225X279N 36,55.1 r90 top
C268 "22uF" SMD_0805_CAPC2012X145N 22.803,74.835 r180 top
C269 "22uF" SMD_0805_CAPC2012X145N 60.003,66.835 r180 top
C270 "220uF" SMD_1210_CAPC3225X279N 60.003,61.835 r0 top
C271 "22uF" SMD_0805_CAPC2012X145N 60.003,68.835 r180 top
C272 "22uF" SMD_0805_CAPC2012X145N 60.003,70.835 r180 top
C273 "220uF" SMD_1210_CAPC3225X279N 78.3,57.1 r180 top
C274 "22uF" SMD_0805_CAPC2012X145N 60.003,72.835 r180 top
C275 "22uF" SMD_0805_CAPC2012X145N 60.003,74.835 r180 top
C276 "220uF" SMD_1210_CAPC3225X279N 60.003,65.835 r0 top
C331 "22uF" SMD_0805_CAPC2012X145N 25,55.1 r270 top
C332 "22uF" SMD_0805_CAPC2012X145N 23,55.1 r270 top
C333 "22uF" SMD_0805_CAPC2012X145N 17,55.1 r270 top
C334 "22uF" SMD_0805_CAPC2012X145N 15,55.1 r270 top
C347 "1uF" SMD_0603_CAPC1608X95N 73.8,37.1 r0 top
C373 "100uF" SMD_1210_CAPC3225X270N 55.3,96.6 r270 top
C374 "100uF" SMD_1210_CAPC3225X270N 59.7,95.4 r180 top
C375 "220uF" SMD_1210_CAPC3225X279N 41.403,65.835 r0 top
C376 "220uF" SMD_1210_CAPC3225X279N 41.403,69.835 r0 top
C377 "220uF" SMD_1210_CAPC3225X279N 41.403,73.835 r0 top
C378 "10uF" SMD_0805_CAPC2012X145N 17.1,96.6 r90 top
C379 "10uF" SMD_0805_CAPC2012X145N 22.5,96.4 r0 top
C380 "10uF" SMD_0805_CAPC2012X145N 22.5,94.4 r0 top
C381 "220uF" SMD_1210_CAPC3225X279N 60.003,69.835 r0 top
C382 "220uF" SMD_1210_CAPC3225X279N 60.003,73.835 r0 top
C397 "220uF" SMD_1210_CAPC3225X279N 24,55.1 r90 top
C398 "220uF" SMD_1210_CAPC3225X279N 16,55.1 r90 top
C399 "220uF" SMD_1210_CAPC3225X279N 22.803,65.835 r0 top
C400 "220uF" SMD_1210_CAPC3225X279N 22.803,69.835 r0 top
C401 "220uF" SMD_1210_CAPC3225X279N 22.803,73.835 r0 top
C404 "100uF" SMD_1210_CAPC3225X270N 18.1,96.6 r270 top
C405 "100uF" SMD_1210_CAPC3225X270N 22.5,95.4 r180 top
C406 "100uF" SMD_1210_CAPC3225X270N 32.3,91.4 r0 top
C407 "100uF" SMD_1210_CAPC3225X270N 32.3,95.4 r0 top
C596 "100uF" SMD_1210_CAPC3225X270N 50.9,91.4 r0 top
C598 "10uF" SMD_0805_CAPC2012X145N 50.9,92.4 r180 top
C599 "100uF" SMD_1210_CAPC3225X270N 50.9,95.4 r0 top
C600 "10uF" SMD_0805_CAPC2012X145N 50.9,96.4 r180 top
C602 "100uF" SMD_1210_CAPC3225X270N 13.7,91.4 r0 top
C603 "10uF" SMD_0805_CAPC2012X145N 13.7,92.4 r180 top
C605 "100uF" SMD_1210_CAPC3225X270N 13.7,95.4 r0 top
C606 "10uF" SMD_0805_CAPC2012X145N 13.7,96.4 r180 top
C640 "10uF" SMD_0805_CAPC2012X145N 50.9,90.4 r180 top
C642 "10uF" SMD_0805_CAPC2012X145N 50.9,94.4 r180 top
C652 "22uF" SMD_0805_CAPC2012X145N 13,55.1 r270 top
C653 "220uF" SMD_1210_CAPC3225X279N 12,55.1 r90 top
C654 "22uF" SMD_0805_CAPC2012X145N 11,55.1 r270 top
C655 "22uF" SMD_0805_CAPC2012X145N 4.203,62.835 r180 top
C656 "220uF" SMD_1210_CAPC3225X279N 4.203,61.835 r0 top
C657 "22uF" SMD_0805_CAPC2012X145N 4.203,60.835 r180 top
C658 "22uF" SMD_0805_CAPC2012X145N 21,55.1 r270 top
C659 "220uF" SMD_1210_CAPC3225X279N 20,55.1 r90 top
C660 "22uF" SMD_0805_CAPC2012X145N 19,55.1 r270 top
C661 "22uF" SMD_0805_CAPC2012X145N 4.203,64.835 r180 top
C662 "220uF" SMD_1210_CAPC3225X279N 4.203,65.835 r0 top
C663 "22uF" SMD_0805_CAPC2012X145N 4.203,66.835 r180 top
C664 "22uF" SMD_0805_CAPC2012X145N 4.203,68.835 r180 top
C665 "220uF" SMD_1210_CAPC3225X279N 4.203,69.835 r0 top
C666 "22uF" SMD_0805_CAPC2012X145N 4.203,70.835 r180 top
C667 "22uF" SMD_0805_CAPC2012X145N 4.203,72.835 r180 top
C668 "220uF" SMD_1210_CAPC3225X279N 4.203,73.835 r0 top
C669 "22uF" SMD_0805_CAPC2012X145N 4.203,74.835 r180 top
C711 "10uF" SMD_0805_CAPC2012X145N 13.7,90.4 r180 top
C814 "10uF" SMD_0805_CAPC2012X145N 13.7,94.4 r180 top
D1 "LED RED" SMD_0805_LED2012X100N 75.9,27.6 r0 top
D2 "LED GREEN" SMD_0805_LED2012X100N 75.9,29.6 r0 top
D3 "LED YELLOW" SMD_0805_LED2012X100N 75.9,33.6 r0 top
D4 "LED ORANGE" SMD_0805_LED2012X100N 75.9,31.6 r0 top
D6 "SMS05T1G" SMD_SOT457_SOT95P275X110-6N 83,41.3 r270 top
D8 "SS14" SMD_DO214AC_SMA 84.1,62.7 r90 top
D28 "D_TVS_UNI" SMD_DO214AC_SMC 85.797,92.917 r180 top
FID1 "FIDUCIAL 100X200" FID100X200 9.3,2.4 r0 top
FID2 "FIDUCIAL 100X200" FID100X200 97,89.5 r0 top
J1 "CONN PCB 5P M S" PTH_HDRV05W64P254_1X05 84.05,2.65 r0 top
J2 "CON_USB_MINI_1" SMD_CON-CVILUX-CU04-SCM15B0 95.6,42.4 r90 top
J3 "HD-351-3P" PTH_CON_HD-351-3P 5.2,84.1 r90 top
J4 "CON_2ROWS_4PINS-2" PTH_HDRV40W6240P254_2X02_M 88.3,42.4 r270 top
J5 "CON_POWER_JACK_3PIN" PTH_DC-POWER-JACK_210-112 90.7,64.1 r180 top
J9 "PTH_MTG400_700" PTH_MTG400_700 5,5 r0 top
J12 "CON_2ROWS_6PINS_1" PTH_CON_WR-MRC4-6P_S 89.7,78.3 r270 top
J13 "PTH_MTG400_700" PTH_MTG400_700 55,5 r0 top
J14 "PTH_MTG400_700" PTH_MTG400_700 55,55 r0 top
J15 "PTH_MTG400_700" PTH_MTG400_700 5,55 r0 top
J22 "PTH_MTG400_700" PTH_MTG400_700 95,5 r0 top
J23 "PTH_MTG400_700" PTH_MTG400_700 5,95 r0 top
J24 "PTH_MTG400_700" PTH_MTG400_700 95,95 r0 top
L3 "DB_VALUE" SMT_INDM135130X800N 50.511,67.84 r270 top